# Altium PCB UZ_A_MAX11331_Daughter.PcbDoc (part 3 of 7)
Units mil, origin at the board's own origin, x right, y up, seen from the top; angles counter-clockwise.
Board outline 6811.03 x 3937.01 mil, 6 copper layers (Top Layer, GND, Signal 1, Signal 2, VCC, Bottom Layer), stack 32.112 mil thick; 537 components, 329 nets, 1705 pads, 572 vias.
Unrouted connection lines stored in the file: 272.
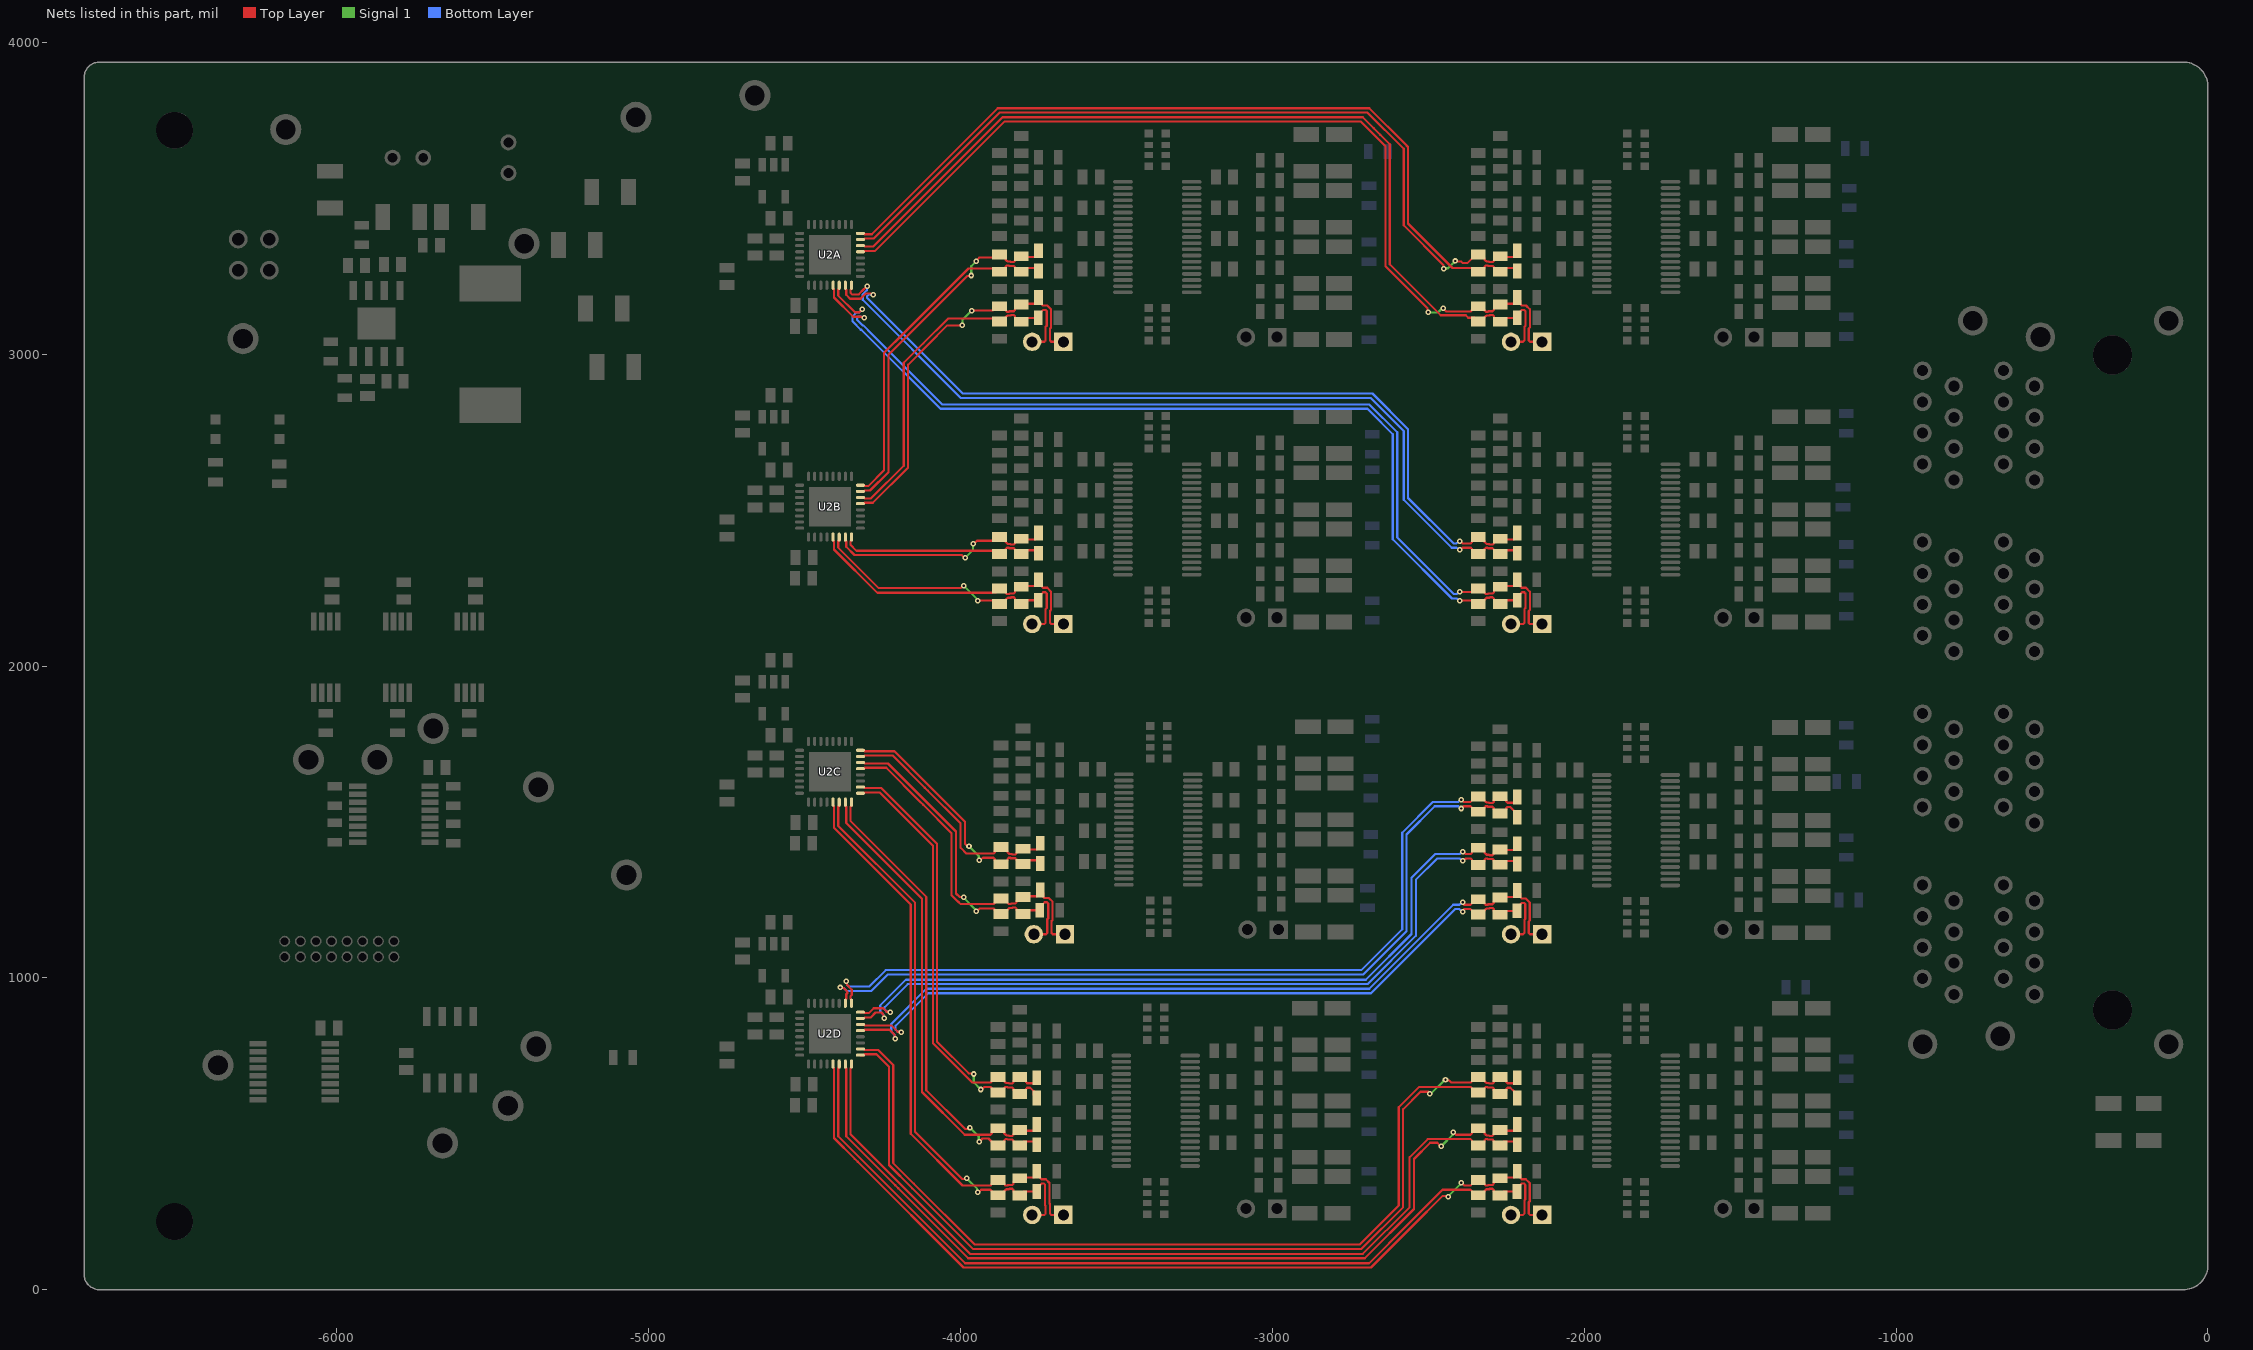
[diagram p7: the nets of this part, all layers, seen from the top]

## Via types
v1: diameter 17.72, hole 7.87, Top Layer to Bottom Layer, tented both sides, 359 vias
v2: diameter 23.62, hole 11.81, Top Layer to Bottom Layer, tented both sides, 171 vias
v3: diameter 27.56, hole 11.81, Top Layer to Bottom Layer, tented bottom, 32 vias
v4: diameter 19.68, hole 7.87, Top Layer to Bottom Layer, tented bottom, 6 vias
v5: diameter 51.18, hole 27.56, Top Layer to Bottom Layer, 4 vias

## Nets (pads, with @x,y where several pads share a name; then routed paths per layer and width w, separated by ;. In a path a pad name is that pad's centre, name@x,y a point inside that pad or via, vN(x,y) a via of type N, cw(c..) or ccw(c..) an arc to the next point about the centre after c; other vN are vias at no path point) (continued)
ADC_IN2F_N: C10F.2 C11F.1 R14F.1 U2C.2 | length 1418.5
  Top Layer w7: U2C.2@-4321.42,1611.89 -4310.81,1611.89 -4307.97,1609.05 -4254.25,1609.05 -4075.65,1430.45 -4075.65,795.65 -3973.87,693.87 -3960.23,693.87 v1(-3958.18,691.82) ; v1(-3935,642.14) -3932.1,642.14 -3923.74,650.5 -3904.5,650.5 -3900.4,646.4 -3900.4,645.12 -3888.16,632.87 C10F.2@-3880.28,632.87 -3872.41,632.87 -3860.16,645.12 -3860.16,646.4 -3856.06,650.5 -3850.91,650.5 -3849.37,648.96 -3834.5,648.96 -3830.4,644.86 -3830.4,639.65 -3818.15,627.4 C11F.1@-3810.28,627.4 -3802.41,627.4 -3790.16,639.65 -3790.16,643.86 -3786.06,647.96 -3777.12,647.96 -3765.56,636.4 -3765.56,625.28 R14F.1@-3755.28,615
  Signal 1 w7: v1(-3958.18,691.82) -3958.18,665.32 v1(-3935,642.14)
ADC_IN2F_P: C11F.2 C13F.1 R17F.1 U2C.1 | length 1376.1
  Top Layer w7: U2C.1@-4321.42,1592.2 -4310.81,1592.2 -4307.97,1595.05 -4260.05,1595.05 -4225,1560 -4215.1,1550.1 -4088.35,1423.35 -4088.35,790.38 -3962.47,664.5 -3904.5,664.5 -3900.4,668.6 -3900.4,669.88 -3888.16,682.13 C13F.1@-3880.28,682.13 -3872.41,682.13 -3860.16,669.88 -3860.16,668.6 -3856.06,664.5 -3855.1,664.5 -3853.1,662.5 -3845.94,662.5 -3844.4,660.96 -3834.5,660.96 -3830.4,665.06 -3830.4,670.27 -3818.15,682.52 C11F.2@-3810.28,682.52 -3802.41,682.52 -3790.16,670.27 -3790.16,666.06 -3786.06,661.96 -3765.56,661.96 -3755.28,672.24 R17F.1@-3755.28,680
ADC_IN2G_N: C10G.2 C11G.1 R14G.1 U2D.10 | length 2736.2
  Top Layer w7: v1(-4385.7,969.3) -4383.65,967.25 -4373.99,967.25 -4363.35,956.61 -4363.35,950.81 -4366.81,947.35 -4366.81,932 -4369.65,929.15 U2D.10@-4369.65,918.54 ; v1(-2394.11,1543.26) -2393.98,1543.39 -2393.98,1543.64 -2387.12,1550.5 -2364.5,1550.5 -2360.4,1546.4 -2360.4,1545.12 -2348.16,1532.87 C10G.2@-2340.28,1532.87 -2332.41,1532.87 -2320.16,1545.12 -2320.16,1546.4 -2316.06,1550.5 -2310.91,1550.5 -2309.37,1548.96 -2294.5,1548.96 -2290.4,1544.86 -2290.4,1539.65 -2278.15,1527.4 C11G.1@-2270.28,1527.4 -2262.41,1527.4 -2250.16,1539.65 -2250.16,1543.86 -2246.06,1547.96 -2237.12,1547.96 -2225.56,1536.4 -2225.56,1525.28 R14G.1@-2215.28,1515
  Bottom Layer w7: v1(-4385.7,969.3) -4383.65,967.25 -4373.99,967.25 -4365.04,958.3 -4286.9,958.3 -4234.2,1011 -2709,1011 -2570,1150 -2570,1460 -2479.5,1550.5 -2404.25,1550.5 -2397.01,1543.26 v1(-2394.11,1543.26)
ADC_IN2G_P: C11G.2 C13G.1 R17G.1 U2D.9 | length 2728.8
  Top Layer w7: v1(-4366.08,988.87) -4364.03,986.82 -4364.03,977.08 -4349.35,962.4 -4349.35,945.01 -4352.81,941.55 -4352.81,932 -4349.97,929.15 U2D.9@-4349.97,918.54 ; v1(-2394.11,1571.74) -2394.11,1571.48 -2387.12,1564.5 -2364.5,1564.5 -2360.4,1568.6 -2360.4,1569.88 -2348.16,1582.13 C13G.1@-2340.28,1582.13 -2332.41,1582.13 -2320.16,1569.88 -2320.16,1568.6 -2316.06,1564.5 -2315.1,1564.5 -2313.1,1562.5 -2305.94,1562.5 -2304.4,1560.96 -2294.5,1560.96 -2290.4,1565.06 -2290.4,1570.27 -2278.15,1582.52 C11G.2@-2270.28,1582.52 -2262.41,1582.52 -2250.16,1570.27 -2250.16,1566.06 -2246.06,1561.96 -2225.56,1561.96 -2215.28,1572.24 R17G.1@-2215.28,1580
  Bottom Layer w7: v1(-4366.08,988.87) -4364.03,986.82 -4364.03,977.08 -4359.24,972.3 -4292.7,972.3 -4240,1025 -2714.8,1025 -2584,1155.8 -2584,1465.8 -2485.3,1564.5 -2404.25,1564.5 -2397.01,1571.74 v1(-2394.11,1571.74)
ADC_IN2H_N: C10H.2 C11H.1 R14H.1 U2D.2 | length 3004
  Top Layer w7: U2D.2@-4321.42,771.89 -4310.81,771.89 -4307.97,769.05 -4264.25,769.05 -4216,720.8 -4216,406 -4150,340 -3955,145 -2720,145 -2594.95,270.05 -2594.95,585.05 -2529.5,650.5 -2364.5,650.5 -2360.4,646.4 -2360.4,645.12 -2348.16,632.87 C10H.2@-2340.28,632.87 -2332.41,632.87 -2320.16,645.12 -2320.16,646.4 -2316.06,650.5 -2310.91,650.5 -2309.37,648.96 -2294.5,648.96 -2290.4,644.86 -2290.4,639.65 -2278.15,627.4 C11H.1@-2270.28,627.4 -2262.41,627.4 -2250.16,639.65 -2250.16,643.86 -2246.06,647.96 -2237.12,647.96 -2225.56,636.4 -2225.56,625.28 R14H.1@-2215.28,615
ADC_IN2H_P: C11H.2 C13H.1 R17H.1 U2D.1 | length 3022
  Top Layer w7: U2D.1@-4321.42,752.2 -4310.81,752.2 -4307.97,755.05 -4270.05,755.05 -4230,715 -4230,400.2 -4154.95,325.15 -3960.8,131 -2714.2,131 -2580.95,264.25 -2580.95,579.25 -2525.2,635 -2500,635 -2495,630 v1(-2495,628.14) ; v1(-2445,672.86) -2443.29,671.15 -2433.33,671.15 -2426.68,664.5 -2364.5,664.5 -2360.4,668.6 -2360.4,669.88 -2348.16,682.13 C13H.1@-2340.28,682.13 -2332.41,682.13 -2320.16,669.88 -2320.16,668.6 -2316.06,664.5 -2315.1,664.5 -2313.1,662.5 -2305.94,662.5 -2304.4,660.96 -2294.5,660.96 -2290.4,665.06 -2290.4,670.27 -2278.15,682.52 C11H.2@-2270.28,682.52 -2262.41,682.52 -2250.16,670.27 -2250.16,666.06 -2246.06,661.96 -2225.56,661.96 -2215.28,672.24 R17H.1@-2215.28,680
  Signal 1 w7: v1(-2495,628.14) -2492.36,628.14 -2447.64,672.86 v1(-2445,672.86)
ADC_IN3A_N: C6A.2 C7A.1 R8A.1 U2A.8 | length 2666.3
  Top Layer w7: U2A.8@-4321.42,3387.8 -4310.81,3387.8 -4307.97,3384.95 -4285.05,3384.95 -3881,3789 -2689.2,3789 -2575.1,3674.9 -2565.16,3664.96 -2565.16,3419.16 -2422.82,3276.82 -2352.06,3276.82 C7A.1@-2339.81,3264.57 -2331.94,3264.57 -2319.69,3276.82 -2319.69,3281.03 -2315.59,3285.13 -2310.48,3285.13 -2308.9,3283.55 -2294.03,3283.55 -2289.93,3279.45 -2289.93,3277.17 -2277.68,3264.92 C6A.2@-2269.81,3264.92 -2257.56,3277.17 -2224.93,3277.17 R8A.1@-2214.81,3267.05
ADC_IN3A_P: C7A.2 C9A.1 R11A.1 U2A.7 | length 2694.9
  Top Layer w7: U2A.7@-4321.42,3368.11 -4310.81,3368.11 -4307.97,3370.95 -4279.25,3370.95 -3875.2,3775 -2695,3775 -2579.16,3659.16 -2579.16,3413.36 -2451.8,3286 -2451.8,3274.18 v1(-2451.31,3273.69) ; v1(-2413.55,3299.17) -2411.52,3297.14 -2394.2,3297.14 -2389.42,3292.37 -2375,3292.37 -2347.68,3319.69 C7A.2@-2339.81,3319.69 -2331.94,3319.69 -2319.69,3307.44 -2319.69,3303.23 -2315.59,3299.13 -2314.63,3299.13 -2312.63,3297.13 -2305.51,3297.13 -2303.93,3295.55 -2294.03,3295.55 -2289.93,3299.65 -2289.93,3301.93 -2277.68,3314.17 C9A.1@-2269.81,3314.17 -2267.56,3311.93 -2225.09,3311.93 -2214.81,3322.2 R11A.1@-2214.81,3332.05
  Signal 1 w7: v1(-2451.31,3273.69) -2449.26,3275.74 -2436.99,3275.74 v1(-2413.55,3299.17)
ADC_IN3B_N: C6B.2 C7B.1 R8B.1 U2A.32 | length 2744.2
  Top Layer w7: U2A.32@-4349.97,3221.46 -4349.97,3210.84 -4352.81,3208 -4352.81,3196.19 -4348.71,3192.09 -4326.91,3192.09 -4309.9,3209.1 -4309.46,3209.1 -4301.1,3217.46 v1(-4300,3217.46) ; v1(-2400,2372.76) -2397.1,2372.76 -2390.24,2379.61 -2364.03,2379.61 -2359.93,2375.51 -2359.93,2371.3 -2347.68,2359.06 C7B.1@-2339.81,2359.06 -2331.94,2359.06 -2319.69,2371.3 -2319.69,2375.51 -2315.59,2379.61 -2310.48,2379.61 -2308.9,2378.04 -2294.03,2378.04 -2289.93,2373.93 -2289.93,2371.66 -2277.68,2359.41 C6B.2@-2269.81,2359.41 -2257.56,2371.66 -2224.93,2371.66 R8B.1@-2214.81,2361.54
  Bottom Layer w7: v1(-4300,3217.46) -4300.75,3216.71 -4300.75,3204.83 -4313.76,3191.82 -4313.76,3174.42 -3999.34,2860 -2685,2860 -2675,2850 -2579,2754 -2579,2533.46 -2425.16,2379.61 -2409.76,2379.61 -2402.9,2372.76 v1(-2400,2372.76)
ADC_IN3B_P: C7B.2 C9B.1 R11B.1 U2A.31 | length 2753.5
  Top Layer w7: U2A.31@-4369.65,3221.46 -4369.65,3210.84 -4366.81,3208 -4366.81,3190.39 -4354.51,3178.09 -4321.11,3178.09 -4304.1,3195.1 -4288,3195.1 -4283.3,3190.4 v1(-4280.4,3190.4) ; v1(-2400,2400.47) -2397.1,2400.47 -2390.24,2393.61 -2364.03,2393.61 -2359.93,2397.72 -2359.93,2401.93 -2347.68,2414.17 C7B.2@-2339.81,2414.17 -2331.94,2414.17 -2319.69,2401.93 -2319.69,2397.72 -2315.59,2393.61 -2314.63,2393.61 -2312.63,2391.61 -2305.51,2391.61 -2303.93,2390.04 -2294.03,2390.04 -2289.93,2394.14 -2289.93,2396.41 -2277.68,2408.66 C9B.1@-2269.81,2408.66 -2267.56,2406.41 -2225.09,2406.41 -2214.81,2416.69 R11B.1@-2214.81,2426.54
  Bottom Layer w7: v1(-4280.4,3190.4) -4281.2,3191.2 -4294.58,3191.2 -4299.76,3186.02 -4299.76,3180.22 -3993.54,2874 -2679.2,2874 -2565,2759.8 -2565,2539.26 -2419.36,2393.61 -2409.76,2393.61 -2402.9,2400.47 v1(-2400,2400.47)
ADC_IN3C_N: C6C.2 C7C.1 R8C.1 U2B.8 | length 1116.3
  Top Layer w7: U2B.8@-4321.42,2580 -4310.81,2580 -4307.97,2577.16 -4296.16,2577.16 -4245.53,2627.79 -4245.53,3004.47 -4180.05,3069.95 -3975,3275 -3885.67,3275 C7C.1@-3875.24,3264.57 -3867.37,3264.57 -3855.12,3276.82 -3855.12,3281.03 -3851.02,3285.13 -3845.91,3285.13 -3844.33,3283.55 -3829.46,3283.55 -3825.36,3279.45 -3825.36,3277.17 -3813.12,3264.92 C6C.2@-3805.24,3264.92 -3792.99,3277.17 -3760.36,3277.17 R8C.1@-3750.24,3267.05
ADC_IN3C_P: C7C.2 C9C.1 R11C.1 U2B.7 | length 1153.7
  Top Layer w7: U2B.7@-4321.42,2560.31 -4310.81,2560.31 -4307.97,2563.16 -4290.36,2563.16 -4231.53,2621.99 -4231.53,2998.67 -4165.2,3065 -3979.61,3250.59 -3967.79,3250.59 v1(-3965.74,3252.64) ; v1(-3950,3298.81) -3950,3300.54 -3940.54,3310 -3857.68,3310 -3855.12,3307.44 -3855.12,3303.23 -3851.02,3299.13 -3850.06,3299.13 -3848.06,3297.13 -3840.94,3297.13 -3839.36,3295.55 -3829.46,3295.55 -3825.36,3299.65 -3825.36,3301.93 -3813.12,3314.17 C9C.1@-3805.24,3314.17 -3802.99,3311.93 -3760.52,3311.93 -3750.24,3322.2 R11C.1@-3750.24,3332.05
  Signal 1 w7: v1(-3965.74,3252.64) -3965.74,3282.22 -3950,3297.96 v1(-3950,3298.81)
ADC_IN3D_N: C6D.2 C7D.1 R8D.1 U2B.32 | length 671.1
  Top Layer w7: U2B.32@-4349.97,2413.66 -4349.97,2403.05 -4352.81,2400.21 -4352.81,2388.4 -4334.41,2370 -3886.19,2370 C7D.1@-3875.24,2359.06 -3867.37,2359.06 -3855.12,2371.3 -3855.12,2375.51 -3851.02,2379.61 -3845.91,2379.61 -3844.33,2378.04 -3829.46,2378.04 -3825.36,2373.93 -3825.36,2371.66 -3813.12,2359.41 C6D.2@-3805.24,2359.41 -3792.99,2371.66 -3760.36,2371.66 R8D.1@-3750.24,2361.54
ADC_IN3D_P: C7D.2 C9D.1 R11D.1 U2B.31 | length 738.9
  Top Layer w7: U2B.31@-4369.65,2413.66 -4369.65,2403.05 -4366.81,2400.21 -4366.81,2382.6 -4340.21,2356 -3996.26,2356 -3987.9,2347.64 v1(-3985,2347.64) ; v1(-3960,2392.36) -3957.1,2392.36 -3947.53,2401.93 -3887.49,2401.93 C7D.2@-3875.24,2414.17 -3867.37,2414.17 -3855.12,2401.93 -3855.12,2397.72 -3851.02,2393.61 -3850.06,2393.61 -3848.06,2391.61 -3840.94,2391.61 -3839.36,2390.04 -3829.46,2390.04 -3825.36,2394.14 -3825.36,2396.41 -3813.12,2408.66 C9D.1@-3805.24,2408.66 -3802.99,2406.41 -3760.52,2406.41 -3750.24,2416.69 R11D.1@-3750.24,2426.54
  Signal 1 w7: v1(-3985,2347.64) -3960,2372.64 v1(-3960,2392.36)
ADC_IN3E_N: C6E.2 C7E.1 R8E.1 U2C.8 | length 815
  Top Layer w7: U2C.8@-4321.42,1730 -4310.81,1730 -4307.97,1727.16 -4212.36,1727.16 -3986,1500.8 -3986,1430.58 -3981.9,1426.48 -3980.73,1426.48 -3976.08,1421.82 v1(-3973.18,1421.82) ; v1(-3940,1376.77) -3937.1,1376.77 -3928.74,1385.13 -3894.46,1385.13 -3890.36,1381.03 -3890.36,1376.82 -3878.11,1364.57 C7E.1@-3870.23,1364.57 -3862.36,1364.57 -3850.11,1376.82 -3850.11,1381.03 -3846.01,1385.13 -3840.91,1385.13 -3839.33,1383.55 -3824.46,1383.55 -3820.36,1379.45 -3820.36,1377.17 -3808.11,1364.92 C6E.2@-3800.23,1364.92 -3787.99,1377.17 -3755.36,1377.17 R8E.1@-3745.23,1367.05
  Signal 1 w7: v1(-3973.18,1421.82) -3942.05,1390.7 -3942.05,1378.82 v1(-3940,1376.77)
ADC_IN3E_P: C7E.2 C9E.1 R11E.1 U2C.7 | length 800.6
  Top Layer w7: U2C.7@-4321.42,1710.31 -4310.81,1710.31 -4307.97,1713.16 -4218.16,1713.16 -4115,1610 -4105.1,1600.1 -4000,1495 -4000,1417.03 -3982.1,1399.13 -3894.46,1399.13 -3890.36,1403.23 -3890.36,1407.44 -3878.11,1419.69 -3862.36,1419.69 -3850.11,1407.44 -3850.11,1403.23 -3846.01,1399.13 -3845.05,1399.13 -3843.05,1397.13 -3835.94,1397.13 -3834.36,1395.55 -3824.46,1395.55 -3820.36,1399.65 -3820.36,1401.92 -3808.11,1414.17 C9E.1@-3800.23,1414.17 -3797.99,1411.93 -3755.51,1411.93 -3745.23,1422.2 R11E.1@-3745.23,1432.05
ADC_IN3F_N: C6F.2 C7F.1 R8F.1 U2C.32 | length 1504.3
  Top Layer w7: U2C.32@-4349.97,1563.66 -4349.97,1553.05 -4352.81,1550.21 -4352.81,1502.74 -4110,1259.93 -4110,640 -3985.26,515.26 -3977.08,515.26 -3972.9,519.44 v1(-3970,519.44) ; v1(-3940,474.72) -3929.64,485.08 -3910.71,485.08 -3888.16,462.52 -3872.41,462.52 -3860.16,474.77 -3860.16,478.98 -3856.06,483.08 -3850.95,483.08 -3849.37,481.5 -3834.5,481.5 -3830.4,477.4 -3830.4,475.12 -3818.16,462.87 C6F.2@-3810.28,462.87 -3798.03,475.12 -3765.4,475.12 R8F.1@-3755.28,465
  Signal 1 w7: v1(-3970,519.44) -3942.05,491.49 -3942.05,476.77 v1(-3940,474.72)
ADC_IN3F_P: C7F.2 C9F.1 R11F.1 U2C.31 | length 1504.3
  Top Layer w7: U2C.31@-4369.65,1563.66 -4369.65,1553.05 -4366.81,1550.21 -4366.81,1496.94 -4124,1254.13 -4124,634.2 -3986.88,497.08 -3904.5,497.08 -3900.4,501.18 -3900.4,505.39 -3888.16,517.64 C7F.2@-3880.28,517.64 -3872.41,517.64 -3860.16,505.39 -3860.16,501.18 -3856.06,497.08 -3855.1,497.08 -3853.1,495.08 -3845.98,495.08 -3844.4,493.5 -3834.5,493.5 -3830.4,497.6 -3830.4,499.88 -3818.16,512.13 C9F.1@-3810.28,512.13 -3808.03,509.88 -3765.56,509.88 -3755.28,520.16 R11F.1@-3755.28,530
ADC_IN3G_N: C6G.2 C7G.1 R8G.1 U2D.8 | length 2516.9
  Top Layer w7: U2D.8@-4321.42,890 -4310.81,890 -4307.97,887.16 -4294.27,887.16 -4278.63,902.79 -4248.08,902.79 -4236.93,891.65 -4227.45,891.65 v1(-4225.4,889.6) ; v1(-2390,1376.22) -2384.64,1381.58 -2380.74,1381.58 -2379.24,1383.08 -2364.5,1383.08 -2360.4,1378.98 -2360.4,1374.77 -2348.16,1362.52 C7G.1@-2340.28,1362.52 -2332.41,1362.52 -2320.16,1374.77 -2320.16,1378.98 -2316.06,1383.08 -2310.95,1383.08 -2309.37,1381.5 -2294.5,1381.5 -2290.4,1377.4 -2290.4,1375.12 -2278.16,1362.87 C6G.2@-2270.28,1362.87 -2258.03,1375.12 -2225.4,1375.12 R8G.1@-2215.28,1365
  Bottom Layer w7: v1(-4225.4,889.6) -4227.45,891.65 -4236.93,891.65 -4243.83,898.55 -4243.83,906.17 -4169.9,980.1 -2695.1,980.1 -2540,1135.2 -2540,1315 -2471.92,1383.08 -2399.76,1383.08 -2392.9,1376.22 v1(-2390,1376.22)
ADC_IN3G_P: C7G.2 C9G.1 R11G.1 U2D.7 | length 2546.6
  Top Layer w7: U2D.7@-4321.42,870.31 -4310.81,870.31 -4307.97,873.16 -4288.47,873.16 -4272.83,888.79 -4253.88,888.79 -4247.2,882.11 -4247.2,872.2 v1(-4245.15,870.15) ; v1(-2390,1403.94) -2384.64,1398.58 -2380.74,1398.58 -2379.24,1397.08 -2364.5,1397.08 -2360.4,1401.18 -2360.4,1405.39 -2348.16,1417.64 C7G.2@-2340.28,1417.64 -2332.41,1417.64 -2320.16,1405.39 -2320.16,1401.18 -2316.06,1397.08 -2315.1,1397.08 -2313.1,1395.08 -2305.98,1395.08 -2304.4,1393.5 -2294.5,1393.5 -2290.4,1397.6 -2290.4,1399.88 -2278.16,1412.13 C9G.1@-2270.28,1412.13 -2268.03,1409.88 -2225.56,1409.88 -2215.28,1420.16 R11G.1@-2215.28,1430
  Bottom Layer w7: v1(-4245.15,870.15) -4247.2,872.2 -4247.2,882.11 -4257.83,892.75 -4257.83,911.97 -4175.7,994.1 -2700.9,994.1 -2554,1141 -2554,1320.8 -2477.72,1397.08 -2399.76,1397.08 -2392.9,1403.94 v1(-2390,1403.94)
ADC_IN3H_N: C6H.2 C7H.1 R8H.1 U2D.32 | length 2810.1
  Top Layer w7: U2D.32@-4349.97,723.66 -4349.97,713.05 -4352.81,710.21 -4352.81,497.81 -3970,115 -2710,115 -2560,265 -2560,424.8 -2501.72,483.08 -2364.5,483.08 -2360.4,478.98 -2360.4,474.77 -2348.16,462.52 C7H.1@-2340.28,462.52 -2332.41,462.52 -2320.16,474.77 -2320.16,478.98 -2316.06,483.08 -2310.95,483.08 -2309.37,481.5 -2294.5,481.5 -2290.4,477.4 -2290.4,475.12 -2278.16,462.87 C6H.2@-2270.28,462.87 -2258.03,475.12 -2225.4,475.12 R8H.1@-2215.28,465
ADC_IN3H_P: C7H.2 C9H.1 R11H.1 U2D.31 | length 2870.9
  Top Layer w7: U2D.31@-4369.65,723.66 -4369.65,713.05 -4366.81,710.21 -4366.81,492.01 -4209.9,335.1 -4200,325.2 -3975.8,101 -2704.2,101 -2546,259.2 -2546,419 -2493.92,471.08 -2471.41,471.08 -2461.05,460.72 v1(-2458.15,460.72) ; v1(-2420,505.44) -2418.9,505.44 -2410.54,497.08 -2364.5,497.08 -2360.4,501.18 -2360.4,505.39 -2348.16,517.64 C7H.2@-2340.28,517.64 -2332.41,517.64 -2320.16,505.39 -2320.16,501.18 -2316.06,497.08 -2315.1,497.08 -2313.1,495.08 -2305.98,495.08 -2304.4,493.5 -2294.5,493.5 -2290.4,497.6 -2290.4,499.88 -2278.16,512.13 C9H.1@-2270.28,512.13 -2268.03,509.88 -2225.56,509.88 -2215.28,520.16 R11H.1@-2215.28,530
  Signal 1 w7: v1(-2458.15,460.72) -2422.05,496.82 -2422.05,503.39 v1(-2420,505.44)
ADC_IN4A_N: C2A.2 C3A.1 P2A.2 R3A.1 U2A.6 | length 2987.7
  Top Layer w7: U2A.6@-4321.42,3348.43 -4310.81,3348.43 -4307.97,3345.58 -4279.92,3345.58 -3865.5,3760 -2710.2,3760 -2675.1,3724.9 -2654.44,3704.24 -2623.88,3673.68 -2623.88,3288.68 -2460.2,3125 -2380,3125 -2372.17,3117.17 -2352.06,3117.17 C2A.2@-2339.81,3104.92 -2331.93,3104.92 -2319.69,3117.17 -2319.69,3118.45 -2315.59,3122.55 -2314.63,3122.55 -2312.63,3124.55 -2304.1,3124.55 -2302.52,3126.13 -2294.03,3126.13 -2289.93,3122.03 -2289.93,3116.82 -2277.68,3104.57 C3A.1@-2269.81,3104.57 -2257.56,3116.82 -2215.46,3116.82 R3A.1@-2215.23,3117.05 -2215.23,3126.89 -2199.66,3142.46 -2192.62,3142.46 -2188.52,3138.36 -2188.52,3091.51 -2192,3088.03 -2192,3044.1 -2196.1,3040 P2A.2@-2235,3040
ADC_IN4A_P: C3A.2 C5A.1 P2A.1 R6A.1 U2A.5 | length 3028.5
  Top Layer w7: U2A.5@-4321.42,3328.74 -4310.81,3328.74 -4307.97,3331.58 -4274.12,3331.58 -3859.7,3746 -2716,3746 -2637.88,3667.88 -2637.88,3282.88 -2502.96,3147.96 -2502.96,3136.14 v1(-2500.91,3134.09) ; v1(-2451.79,3148.21) -2451.79,3146.46 -2442.33,3137 -2364.86,3137 -2347.68,3154.17 -2331.93,3154.17 -2319.69,3141.93 -2319.69,3140.65 -2315.59,3136.55 -2309.07,3136.55 -2307.49,3138.13 -2294.03,3138.13 -2289.93,3142.23 -2289.93,3147.44 -2277.68,3159.69 C3A.2@-2269.81,3159.69 -2267.57,3161.93 -2225.09,3161.93 -2214.81,3172.2 R6A.1@-2214.81,3182.05 -2204.53,3171.77 -2204.53,3160.56 -2200.43,3156.46 -2186.82,3156.46 -2174.52,3144.16 -2174.52,3085.71 -2178,3082.23 -2178,3044.1 -2173.9,3040 P2A.1@-2135,3040
  Signal 1 w7: v1(-2500.91,3134.09) -2468.81,3134.09 -2454.69,3148.21 v1(-2451.79,3148.21)
ADC_IN4B_N: C2B.2 C3B.1 P2B.2 R3B.1 U2A.30 | length 3110.7
  Top Layer w7: U2A.30@-4389.34,3221.46 -4389.34,3210.84 -4392.18,3208 -4392.18,3187.97 -4338.74,3134.53 -4324.94,3134.53 -4315.48,3143.99 v1(-4315.48,3144.52) ; v1(-2399.2,2210.18) -2350.58,2210.18 C2B.2@-2339.81,2199.41 -2331.93,2199.41 -2319.69,2211.66 -2319.69,2212.93 -2315.59,2217.04 -2314.63,2217.04 -2312.63,2219.04 -2304.1,2219.04 -2302.52,2220.61 -2294.03,2220.61 -2289.93,2216.51 -2289.93,2211.3 -2277.68,2199.06 C3B.1@-2269.81,2199.06 -2257.56,2211.3 -2215.46,2211.3 R3B.1@-2215.23,2211.54 -2215.23,2221.38 -2199.66,2236.95 -2192.62,2236.95 -2188.52,2232.85 -2188.52,2186 -2192,2182.51 -2192,2139.1 -2196.1,2135 P2B.2@-2235,2135
  Bottom Layer w7: v1(-4315.48,3144.52) -4315.48,3143.99 -4324.94,3134.53 -4334.01,3134.53 -4346.31,3122.23 -4346.31,3104.84 -4320.24,3078.77 -4318.57,3078.77 -4064.85,2825.05 -2695.05,2825.05 -2685,2815 -2614,2744 -2614,2406.67 -2424.36,2217.04 -2408.96,2217.04 -2402.1,2210.18 v1(-2399.2,2210.18)
ADC_IN4B_P: C3B.2 C5B.1 P2B.1 R6B.1 U2A.29 | length 3127.4
  Top Layer w7: U2A.29@-4409.02,3221.46 -4409.02,3210.84 -4406.18,3208 -4406.18,3182.17 -4344.54,3120.53 -4320.29,3120.53 -4319.41,3119.66 -4310.9,3119.66 v1(-4308.85,3117.61) ; v1(-2399.2,2237.89) -2350.58,2237.89 C5B.1@-2339.81,2248.66 -2331.93,2248.66 -2319.69,2236.41 -2319.69,2235.14 -2315.59,2231.04 -2309.07,2231.04 -2307.49,2232.61 -2294.03,2232.61 -2289.93,2236.72 -2289.93,2241.93 -2277.68,2254.17 C3B.2@-2269.81,2254.17 -2267.57,2256.41 -2225.09,2256.41 -2214.81,2266.69 R6B.1@-2214.81,2276.54 -2204.53,2266.26 -2204.53,2255.05 -2200.43,2250.95 -2186.82,2250.95 -2174.52,2238.65 -2174.52,2180.2 -2178,2176.72 -2178,2139.1 -2173.9,2135 P2B.1@-2135,2135
  Bottom Layer w7: v1(-4308.85,3117.61) -4310.9,3119.66 -4319.41,3119.66 -4320.29,3120.53 -4328.21,3120.53 -4332.31,3116.43 -4332.31,3110.63 -4314.44,3092.77 -4312.77,3092.77 -4285,3065 -4280.05,3060.05 -4059.05,2839.05 -2689.25,2839.05 -2600,2749.8 -2600,2412.47 -2418.56,2231.04 -2408.96,2231.04 -2402.1,2237.89 v1(-2399.2,2237.89)
ADC_IN4C_N: C2C.2 C3C.1 P2C.2 R3C.1 U2B.6 | length 1220.3
  Top Layer w7: U2B.6@-4321.42,2540.63 -4310.81,2540.63 -4307.97,2537.79 -4287.21,2537.79 -4182.45,2642.55 -4182.45,2972.55 -4120.05,3034.95 -4040,3115 -3885.32,3115 C2C.2@-3875.24,3104.92 -3867.37,3104.92 -3855.12,3117.17 -3855.12,3118.45 -3851.02,3122.55 -3850.06,3122.55 -3848.06,3124.55 -3839.53,3124.55 -3837.95,3126.13 -3829.46,3126.13 -3825.36,3122.03 -3825.36,3116.82 -3813.12,3104.57 C3C.1@-3805.24,3104.57 -3792.99,3116.82 -3750.9,3116.82 R3C.1@-3750.66,3117.05 -3750.66,3126.89 -3735.09,3142.46 -3728.05,3142.46 -3723.95,3138.36 -3723.95,3091.51 -3727.42,3088.04 -3727.42,3044.1 -3731.53,3040 P2C.2@-3770.42,3040
ADC_IN4C_P: C3C.2 C5C.1 P2C.1 R6C.1 U2B.5 | length 1281.9
  Top Layer w7: U2B.5@-4321.42,2520.94 -4310.81,2520.94 -4307.97,2523.79 -4281.41,2523.79 -4168.45,2636.75 -4168.45,2966.75 -4105.2,3030 -4042.56,3092.64 v1(-3994.2,3092.64) ; v1(-3965,3140) -3897.29,3140 -3883.12,3154.17 C5C.1@-3875.24,3154.17 -3867.37,3154.17 -3855.12,3141.93 -3855.12,3140.65 -3851.02,3136.55 -3844.5,3136.55 -3842.92,3138.13 -3829.46,3138.13 -3825.36,3142.23 -3825.36,3147.44 -3813.12,3159.69 C3C.2@-3805.24,3159.69 -3803,3161.93 -3760.52,3161.93 -3750.24,3172.2 R6C.1@-3750.24,3182.05 -3739.96,3171.77 -3739.96,3160.56 -3735.86,3156.46 -3722.25,3156.46 -3709.95,3144.16 -3709.95,3085.71 -3713.42,3082.24 -3713.42,3044.1 -3709.32,3040 P2C.1@-3670.42,3040
  Signal 1 w7: v1(-3994.2,3092.64) -3994.2,3110.8 v1(-3965,3140)
ADC_IN4D_N: C2D.2 C3D.1 P2D.2 R3D.1 U2B.30 | length 969.9
  Top Layer w7: U2B.30@-4389.34,2413.66 -4389.34,2403.05 -4392.18,2400.21 -4392.18,2380 -4262.18,2250 -4000.19,2250 -3992.83,2257.36 v1(-3990,2257.36) ; v1(-3945,2210) -3885.83,2210 C2D.2@-3875.24,2199.41 -3867.37,2199.41 -3855.12,2211.66 -3855.12,2212.93 -3851.02,2217.04 -3850.06,2217.04 -3848.06,2219.04 -3839.53,2219.04 -3837.95,2220.61 -3829.46,2220.61 -3825.36,2216.51 -3825.36,2211.3 -3813.12,2199.06 C3D.1@-3805.24,2199.06 -3792.99,2211.3 -3750.9,2211.3 R3D.1@-3750.66,2211.54 -3750.66,2221.38 -3735.09,2236.95 -3728.05,2236.95 -3723.95,2232.85 -3723.95,2186 -3727.42,2182.52 -3727.42,2139.1 -3731.53,2135 P2D.2@-3770.42,2135
  Signal 1 w7: v1(-3990,2257.36) -3945,2212.36 v1(-3945,2210)
ADC_IN4D_P: C3D.2 C5D.1 P2D.1 R6D.1 U2B.29 | length 1003.8
  Top Layer w7: U2B.29@-4409.02,2413.66 -4409.02,2403.05 -4406.18,2400.21 -4406.18,2374.2 -4266.98,2235 -3899.46,2235 -3898.05,2236.41 -3887.49,2236.41 C5D.1@-3875.24,2248.66 -3867.37,2248.66 -3855.12,2236.41 -3855.12,2235.14 -3851.02,2231.04 -3844.5,2231.04 -3842.92,2232.61 -3829.46,2232.61 -3825.36,2236.72 -3825.36,2241.93 -3813.12,2254.17 C3D.2@-3805.24,2254.17 -3803,2256.41 -3760.52,2256.41 -3750.24,2266.69 R6D.1@-3750.24,2276.54 -3739.96,2266.26 -3739.96,2255.05 -3735.86,2250.95 -3722.25,2250.95 -3709.95,2238.65 -3709.95,2180.2 -3713.42,2176.72 -3713.42,2139.1 -3709.32,2135 P2D.1@-3670.42,2135
ADC_IN4E_N: C2E.2 C3E.1 P2E.2 R3E.1 U2C.6 | length 1115.5
  Top Layer w7: U2C.6@-4321.42,1690.63 -4310.81,1690.63 -4307.97,1687.79 -4232.99,1687.79 -4015,1469.8 -4015,1270.91 -4003.31,1259.23 -3990.58,1259.23 v1(-3990.26,1258.91) ; v1(-3950,1214.19) -3947.1,1214.19 -3938.74,1222.55 -3894.46,1222.55 -3890.36,1218.45 -3890.36,1217.17 -3878.11,1204.92 C2E.2@-3870.23,1204.92 -3862.36,1204.92 -3850.11,1217.17 -3850.11,1218.45 -3846.01,1222.55 -3845.05,1222.55 -3843.05,1224.55 -3834.52,1224.55 -3832.94,1226.13 -3824.46,1226.13 -3820.36,1222.03 -3820.36,1216.82 -3808.11,1204.57 C3E.1@-3800.23,1204.57 -3787.99,1216.82 -3745.89,1216.82 R3E.1@-3745.66,1217.05 -3745.66,1226.89 -3730.09,1242.46 -3723.04,1242.46 -3718.94,1238.36 -3718.94,1191.51 -3722.42,1188.04 -3722.42,1144.1 -3726.52,1140 P2E.2@-3765.42,1140
  Signal 1 w7: v1(-3990.26,1258.91) -3990.26,1256.68 -3950,1216.42 v1(-3950,1214.19)
ADC_IN4E_P: C3E.2 C5E.1 P2E.1 R6E.1 U2C.5 | length 1127.5
  Top Layer w7: U2C.5@-4321.42,1670.94 -4310.81,1670.94 -4307.97,1673.79 -4238.79,1673.79 -4130,1565 -4120.1,1555.1 -4029,1464 -4029,1265.12 -4009.11,1245.23 -4008.2,1245.23 -3999.52,1236.55 -3894.46,1236.55 -3890.36,1240.65 -3890.36,1241.92 -3878.11,1254.17 -3862.36,1254.17 -3850.11,1241.92 -3850.11,1240.65 -3846.01,1236.55 -3839.49,1236.55 -3837.92,1238.13 -3824.46,1238.13 -3820.36,1242.23 -3820.36,1247.44 -3808.11,1259.69 C3E.2@-3800.23,1259.69 -3797.99,1261.93 -3755.51,1261.93 -3745.23,1272.2 R6E.1@-3745.23,1282.05 -3734.95,1271.77 -3734.95,1260.56 -3730.85,1256.46 -3717.24,1256.46 -3704.94,1244.16 -3704.94,1185.71 -3708.42,1182.24 -3708.42,1144.1 -3704.32,1140 P2E.1@-3665.42,1140
ADC_IN4F_N: C2F.2 C3F.1 P2F.2 R3F.1 U2C.30 | length 1859.1
  Top Layer w7: U2C.30@-4389.34,1563.66 -4389.34,1553.05 -4392.18,1550.21 -4392.18,1487.18 -4146,1241 -4146,506 -3995,355 -3981.86,355 v1(-3980,356.86) ; v1(-3945,312.14) -3942.1,312.14 -3933.74,320.5 -3904.5,320.5 -3900.4,316.4 -3900.4,315.12 -3888.15,302.87 C2F.2@-3880.28,302.87 -3872.41,302.87 -3860.16,315.12 -3860.16,316.4 -3856.06,320.5 -3855.1,320.5 -3853.1,322.5 -3844.57,322.5 -3842.99,324.08 -3834.5,324.08 -3830.4,319.98 -3830.4,314.77 -3818.16,302.52 C3F.1@-3810.28,302.52 -3798.03,314.77 -3755.93,314.77 R3F.1@-3755.7,315 -3755.7,324.84 -3740.13,340.41 -3733.09,340.41 -3728.99,336.31 -3728.99,270.91 -3727.42,269.35 -3727.42,244.1 -3731.53,240 P2F.2@-3770.42,240
  Signal 1 w7: v1(-3980,356.86) -3947.05,323.91 -3947.05,314.19 v1(-3945,312.14)
ADC_IN4F_P: C3F.2 C5F.1 P2F.1 R6F.1 U2C.29 | length 1889.6
  Top Layer w7: U2C.29@-4409.02,1563.66 -4409.02,1553.05 -4406.18,1550.21 -4406.18,1481.38 -4229.9,1305.1 -4220,1295.2 -4160,1235.2 -4160,500.2 -3994.3,334.5 -3904.5,334.5 -3900.4,338.6 -3900.4,339.88 -3888.15,352.13 C5F.1@-3880.28,352.13 -3872.41,352.13 -3860.16,339.88 -3860.16,338.6 -3856.06,334.5 -3849.54,334.5 -3847.96,336.08 -3834.5,336.08 -3830.4,340.18 -3830.4,345.39 -3818.16,357.64 C3F.2@-3810.28,357.64 -3808.04,359.88 -3765.56,359.88 -3755.28,370.16 R6F.1@-3755.28,380 -3745,369.72 -3745,358.51 -3740.9,354.41 -3727.29,354.41 -3714.99,342.11 -3714.99,276.71 -3713.42,275.15 -3713.42,244.1 -3709.32,240 P2F.1@-3670.42,240
ADC_IN4G_N: C2G.2 C3G.1 P2G.2 R3G.1 U2D.6 | length 2550.1
  Top Layer w7: U2D.6@-4321.42,850.63 -4310.81,850.63 -4307.97,847.79 -4222.45,847.79 -4201.73,827.07 -4192.03,827.07 v1(-4189.98,825.02) ; v1(-2390.21,1212.76) -2390.21,1215.29 -2385,1220.5 -2364.5,1220.5 -2360.4,1216.4 -2360.4,1215.12 -2348.15,1202.87 C2G.2@-2340.28,1202.87 -2332.41,1202.87 -2320.16,1215.12 -2320.16,1216.4 -2316.06,1220.5 -2315.1,1220.5 -2313.1,1222.5 -2304.57,1222.5 -2302.99,1224.08 -2294.5,1224.08 -2290.4,1219.98 -2290.4,1214.77 -2278.16,1202.52 C3G.1@-2270.28,1202.52 -2258.03,1214.77 -2215.93,1214.77 R3G.1@-2215.7,1215 -2215.7,1224.84 -2200.13,1240.41 -2193.09,1240.41 -2188.99,1236.31 -2188.99,1189.46 -2192,1186.45 -2192,1144.1 -2196.1,1140 P2G.2@-2235,1140
  Bottom Layer w7: v1(-4189.98,825.02) -4192.03,827.07 -4201.73,827.07 -4208.52,833.86 -4208.52,846.48 -4104,951 -2684,951 -2414.5,1220.5 -2400.09,1220.5 -2392.35,1212.76 v1(-2390.21,1212.76)
ADC_IN4G_P: C3G.2 C5G.1 P2G.1 R6G.1 U2D.5 | length 2606.4
  Top Layer w7: U2D.5@-4321.42,830.94 -4310.81,830.94 -4307.97,833.79 -4228.25,833.79 -4211.63,817.17 -4211.63,807.47 v1(-4209.58,805.42) ; v1(-2390.21,1242.24) -2390.21,1239.71 -2385,1234.5 -2364.5,1234.5 -2360.4,1238.6 -2360.4,1239.88 -2348.15,1252.13 C5G.1@-2340.28,1252.13 -2332.41,1252.13 -2320.16,1239.88 -2320.16,1238.6 -2316.06,1234.5 -2309.54,1234.5 -2307.96,1236.08 -2294.5,1236.08 -2290.4,1240.18 -2290.4,1245.39 -2278.16,1257.64 C3G.2@-2270.28,1257.64 -2268.04,1259.88 -2225.56,1259.88 -2215.28,1270.16 R6G.1@-2215.28,1280 -2205,1269.72 -2205,1258.51 -2200.9,1254.41 -2187.29,1254.41 -2174.99,1242.11 -2174.99,1183.66 -2178,1180.65 -2178,1144.1 -2173.9,1140 P2G.1@-2135,1140
  Bottom Layer w7: v1(-4209.58,805.42) -4211.63,807.47 -4211.63,817.17 -4222.52,828.06 -4222.52,852.28 -4109.8,965 -2689.8,965 -2420.3,1234.5 -2400.09,1234.5 -2392.35,1242.24 v1(-2390.21,1242.24)
ADC_IN4H_N: C2H.2 C3H.1 P2H.2 R3H.1 U2D.30 | length 2892.9
  Top Layer w7: U2D.30@-4389.34,723.66 -4389.34,713.05 -4392.18,710.21 -4392.18,492.18 -3985,85 -2690,85 -2565,210 -2454.5,320.5 -2364.5,320.5 -2360.4,316.4 -2360.4,315.12 -2348.15,302.87 C2H.2@-2340.28,302.87 -2332.41,302.87 -2320.16,315.12 -2320.16,316.4 -2316.06,320.5 -2315.1,320.5 -2313.1,322.5 -2304.57,322.5 -2302.99,324.08 -2294.5,324.08 -2290.4,319.98 -2290.4,314.77 -2278.16,302.52 C3H.1@-2270.28,302.52 -2258.03,314.77 -2215.93,314.77 R3H.1@-2215.7,315 -2215.7,324.84 -2200.13,340.41 -2193.09,340.41 -2188.99,336.31 -2188.99,289.46 -2192,286.45 -2192,244.1 -2196.1,240 P2H.2@-2235,240
ADC_IN4H_P: C3H.2 C5H.1 P2H.1 R6H.1 U2D.29 | length 2971.2
  Top Layer w7: U2D.29@-4409.02,723.66 -4409.02,713.05 -4406.18,710.21 -4406.18,486.38 -4339.9,420.1 -4330,410.2 -3990.8,71 -2684.2,71 -2551,204.2 -2455.01,300.19 -2438.71,300.19 v1(-2436.65,298.14) ; v1(-2395,342.86) -2393.36,342.86 -2385,334.5 -2364.5,334.5 -2360.4,338.6 -2360.4,339.88 -2348.15,352.13 C5H.1@-2340.28,352.13 -2332.41,352.13 -2320.16,339.88 -2320.16,338.6 -2316.06,334.5 -2309.54,334.5 -2307.96,336.08 -2294.5,336.08 -2290.4,340.18 -2290.4,345.39 -2278.16,357.64 C3H.2@-2270.28,357.64 -2268.04,359.88 -2225.56,359.88 -2215.28,370.16 R6H.1@-2215.28,380 -2205,369.72 -2205,358.51 -2200.9,354.41 -2187.29,354.41 -2174.99,342.11 -2174.99,283.66 -2178,280.65 -2178,244.1 -2173.9,240 P2H.1@-2135,240
  Signal 1 w7: v1(-2436.65,298.14) -2436.65,299.67 -2395,341.33 v1(-2395,342.86)